# KiCad board antmicro-hdmi-mipi-bridge-hw.kicad_pcb
title: HDMI-MIPI Bridge; date: 2024-04-24; rev: 1.3.2
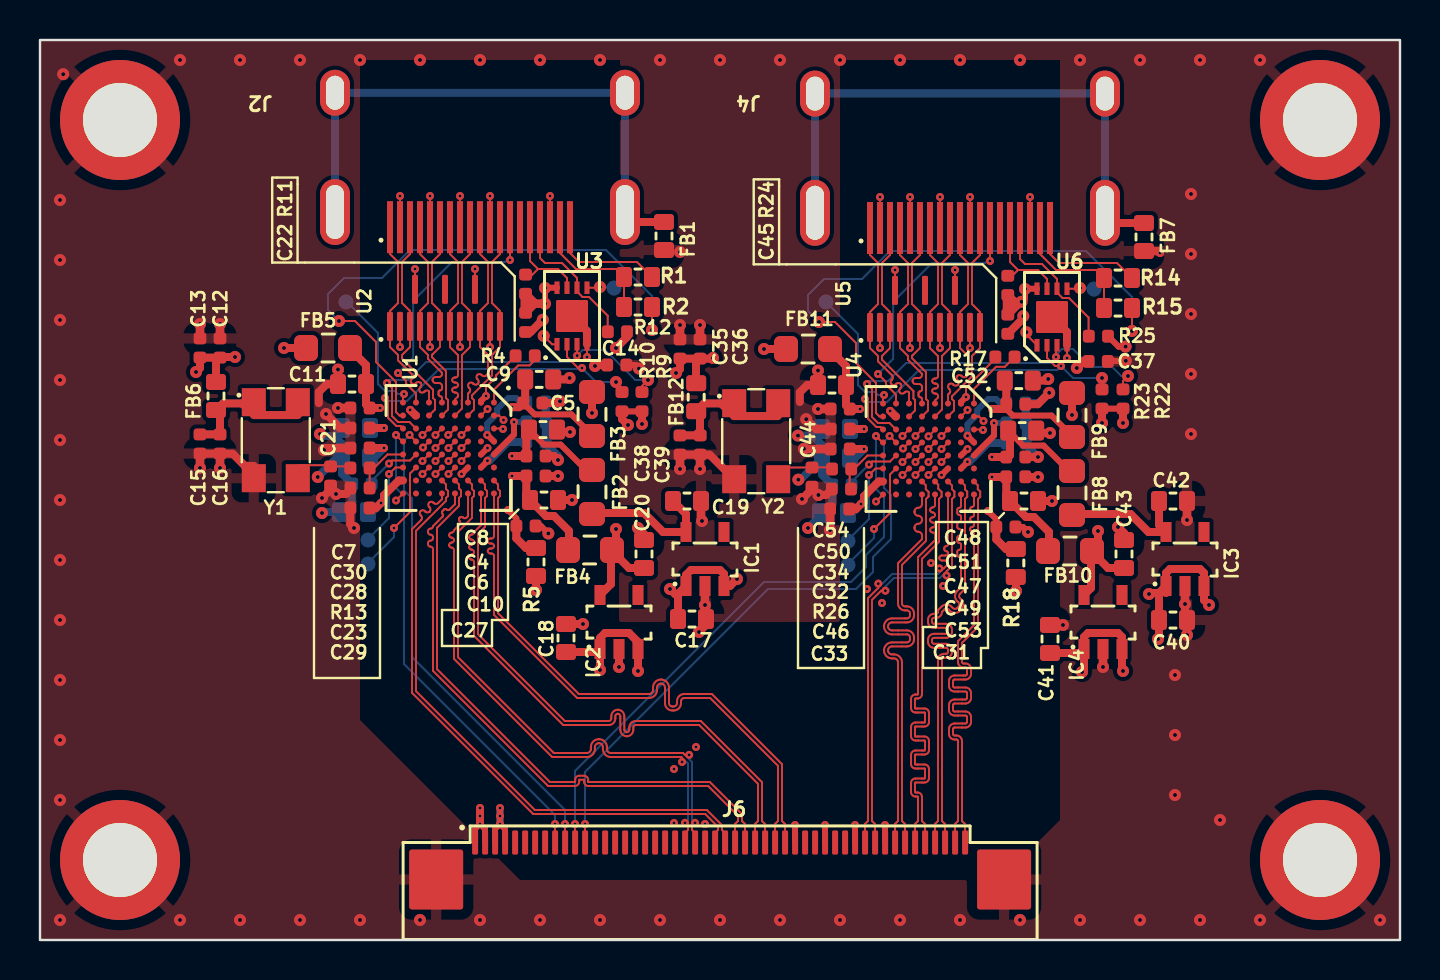
[diagram p0: board, top side]
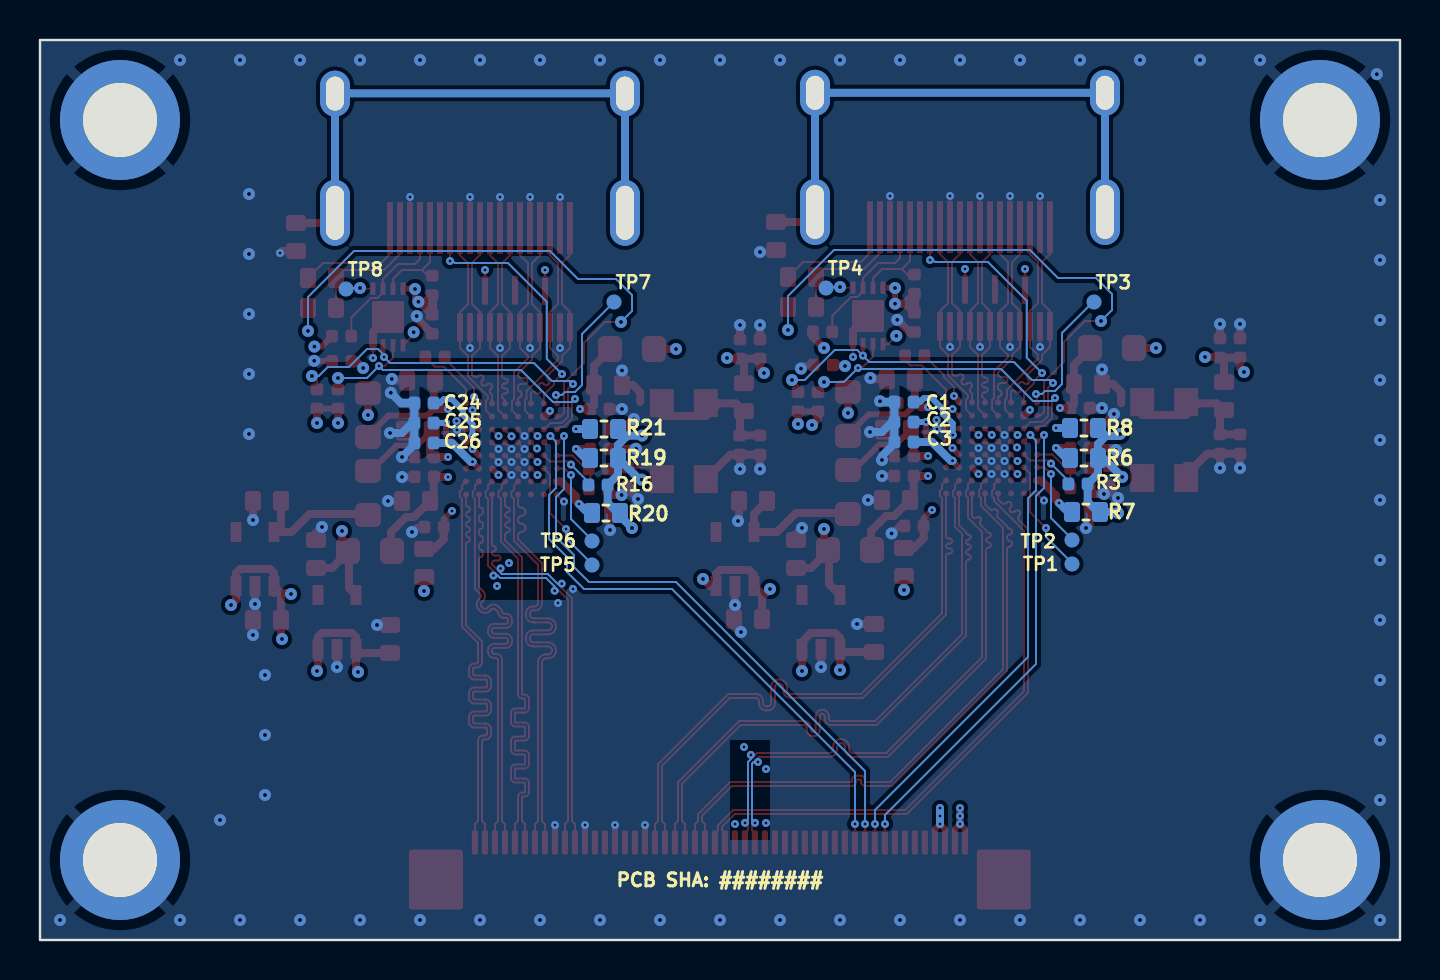
[diagram p1: board, bottom side, seen from below]

Outline 68 x 45 mm; copper layers: Top, In1.Cu, In2.Cu, Bottom. Coordinates in mm from the lower left corner of the outline.
Outline path: rectangle 0,45 68,0
Stack: Top 0.035mm / dielectric 0.254mm FR4 er 4.2 / In1.Cu 0.035mm / dielectric 0.24mm FR4 er 4.2 / In2.Cu 0.035mm / dielectric 0.254mm FR4 er 4.2 / Bottom 0.035mm

## Placement (name value [footprint] x y rotation side)
C1  C_100n_0402  [C_0402_1005Metric]  24.8 26.9 180 bottom
C2  C_100n_0402  [C_0402_1005Metric]  24.8 25.9 180 bottom
C3  C_100n_0402  [C_0402_1005Metric]  24.8 24.9 180 bottom
C4  C_470p_0402  [C_0402_1005Metric]  24.8 24.2 0 top
C5  C_470p_0402  [C_0402_1005Metric]  24.64 26.85 0 top
C6  C_470p_0402  [C_0402_1005Metric]  24.8 23.2 0 top
C7  C_470p_0402  [C_0402_1005Metric]  16 26.6 180 top
C8  C_4u7_0603  [C_0603_1608Metric]  25.15 25.52 180 top
C9  C_4u7_0603  [C_0603_1608Metric]  24.96 28.03 180 top
C10  C_4u7_0603  [C_0603_1608Metric]  25.2 22 180 top
C11  C_4u7_0603  [C_0603_1608Metric]  15.6 27.8 0 top
C12  C_100n_0402  [C_0402_1005Metric]  9 29.6 270 top
C13  C_47p_0402  [C_0402_1005Metric]  8 29.6 270 top
C14  C_100n_0402  [C_0402_1005Metric]  28.84 28.75 0 top
C15  C_100n_0402  [C_0402_1005Metric]  8 24.8 90 top
C16  C_47p_0402  [C_0402_1005Metric]  9 24.8 90 top
C17  C_10u_0603  [C_0603_1608Metric]  32.6 16.05 180 top
C18  C_10u_0603  [C_0603_1608Metric]  26.3 15.1 270 top
C19  C_10u_0603  [C_0603_1608Metric]  32.35 21.95 180 top
C20  C_10u_0603  [C_0603_1608Metric]  30.2 19.3 270 top
C21  C_47p_0402  [C_0402_1005Metric]  14.53 23.2 90 top
C22  C_100n_0402  [C_0402_1005Metric]  24.28 30.88 90 top
C23  C_47p_0402  [C_0402_1005Metric]  16 22.6 0 top
C24  C_100n_0402  [C_0402_1005Metric]  48.8 26.85 180 bottom
C25  C_100n_0402  [C_0402_1005Metric]  48.8 25.85 180 bottom
C26  C_100n_0402  [C_0402_1005Metric]  48.8 24.85 180 bottom
C27  C_100n_0402  [C_0402_1005Metric]  24.3 20.7 180 top
C28  C_100n_0402  [C_0402_1005Metric]  16 24.6 0 top
C29  C_100n_0402  [C_0402_1005Metric]  16 21.6 0 top
C30  C_100n_0402  [C_0402_1005Metric]  16 25.6 0 top
C31  C_100n_0402  [C_0402_1005Metric]  48.29 20.65 180 top
C32  C_100n_0402  [C_0402_1005Metric]  40.01 24.55 0 top
C33  C_100n_0402  [C_0402_1005Metric]  39.99 21.55 0 top
C34  C_100n_0402  [C_0402_1005Metric]  40.01 25.55 0 top
C35  C_100n_0402  [C_0402_1005Metric]  32 29.55 270 top
C36  C_47p_0402  [C_0402_1005Metric]  33 29.55 270 top
C37  C_100n_0402  [C_0402_1005Metric]  52.91 28.93 0 top
C38  C_100n_0402  [C_0402_1005Metric]  32 24.75 90 top
C39  C_47p_0402  [C_0402_1005Metric]  33.01 24.75 90 top
C40  C_10u_0603  [C_0603_1608Metric]  56.65 16 180 top
C41  C_10u_0603  [C_0603_1608Metric]  50.5 15.05 270 top
C42  C_10u_0603  [C_0603_1608Metric]  56.65 21.95 180 top
C43  C_10u_0603  [C_0603_1608Metric]  54.2 19.3 270 top
C44  C_47p_0402  [C_0402_1005Metric]  38.6 23.14 90 top
C45  C_100n_0402  [C_0402_1005Metric]  48.39 30.79 90 top
C46  C_47p_0402  [C_0402_1005Metric]  40.07 22.55 0 top
C47  C_470p_0402  [C_0402_1005Metric]  48.79 24.15 0 top
C48  C_470p_0402  [C_0402_1005Metric]  48.79 26.79 0 top
C49  C_470p_0402  [C_0402_1005Metric]  48.79 23.16 0 top
C50  C_470p_0402  [C_0402_1005Metric]  40.01 26.55 180 top
C51  C_4u7_0603  [C_0603_1608Metric]  49.11 25.47 180 top
C52  C_4u7_0603  [C_0603_1608Metric]  48.94 27.97 180 top
C53  C_4u7_0603  [C_0603_1608Metric]  49.2 21.95 180 top
C54  C_4u7_0603  [C_0603_1608Metric]  39.6 27.75 0 top
FB1  FB_120Z_3A_Murata-BLM18SG_0603  [FB_0603_1608Metric]  31.2 35.2 90 top
FB2  FB_1kZ_0.8A_WE-CBF_0805  [FB_0805_2012Metric]  27.6 22.4 270 top
FB3  FB_1kZ_0.8A_WE-CBF_0805  [FB_0805_2012Metric]  27.6 26.3 90 top
FB4  FB_1kZ_0.8A_WE-CBF_0805  [FB_0805_2012Metric]  27.5 19.5 0 top
FB5  FB_1kZ_0.8A_WE-CBF_0805  [FB_0805_2012Metric]  14.4 29.6 180 top
FB6  FB_600Z_0.5A_Murata-BLM18AG_0603  [FB_0603_1608Metric]  8.8 27.2 270 top
FB7  FB_120Z_3A_Murata-BLM18SG_0603  [FB_0603_1608Metric]  55.2 35.15 90 top
FB8  FB_1kZ_0.8A_WE-CBF_0805  [FB_0805_2012Metric]  51.6 22.35 270 top
FB9  FB_1kZ_0.8A_WE-CBF_0805  [FB_0805_2012Metric]  51.6 26.25 90 top
FB10  FB_1kZ_0.8A_WE-CBF_0805  [FB_0805_2012Metric]  51.5 19.45 0 top
FB11  FB_1kZ_0.8A_WE-CBF_0805  [FB_0805_2012Metric]  38.4 29.55 180 top
FB12  FB_600Z_0.5A_Murata-BLM18AG_0603  [FB_0603_1608Metric]  32.81 27.14 270 top
IC1  TLV73325PDBVT  [SOT-23-5]  33.25 19.05 90 top
IC2  TLV73312PDBVT  [SOT-23-5]  28.95 15.9 90 top
IC3  TLV73325PDBVT  [SOT-23-5]  57.25 19.05 90 top
IC4  TLV73312PDBVT  [SOT-23-5]  53.15 15.9 90 top
J2  HDMI-A_Molex_471511001  [HDMI-A_Receptacle_Molex_471511001]  22 40.7 180 top
J4  HDMI-A_Molex_471511001  [HDMI-A_Receptacle_Molex_471511001]  46 40.66 180 top
J6  Conn_FFC_WE_68715014022  [Conn_FFC_WE_68715014x22]  34.01 2.72 0 top
N1  antmicro_logo  [antmicro-logo_scaled_20mm_mask]  63.6 26.7 270 top
N2  oshw_logo  [OSHW-Logo_7.5x8mm_Mask]  63 11.7 270 top
R1  R_0R_0603  [R_0603_1608Metric]  29.9 33.15 0 top
R2  R_0R_0603  [R_0603_1608Metric]  29.9 31.65 0 top
R3  R_10k_0402  [R_0402_1005Metric]  16.1 22.8 180 bottom
R4  R_2k_0402  [R_0402_1005Metric]  24.26 29.21 180 top
R5  R_0R_0603  [R_0603_1608Metric]  24.8 18.9 270 top
R6  R_0R_0603  [R_0603_1608Metric]  15.8 24.1 180 bottom
R7  R_0R_0603  [R_0603_1608Metric]  15.7 21.4 180 bottom
R8  R_0R_0603  [R_0603_1608Metric]  15.8 25.6 180 bottom
R9  R_10k_0402  [R_0402_1005Metric]  30.1 26.92 270 top
R10  R_10k_0402  [R_0402_1005Metric]  29.1 26.92 270 top
R11  R_10k_0402  [R_0402_1005Metric]  24.28 32.79 270 top
R12  R_10k_0402  [R_0402_1005Metric]  28.87 30.41 0 top
R13  R_22R_0402  [R_0402_1005Metric]  16 23.6 0 top
R14  R_0R_0603  [R_0603_1608Metric]  53.9 33.1 0 top
R15  R_0R_0603  [R_0603_1608Metric]  53.9 31.6 0 top
R16  R_10k_0402  [R_0402_1005Metric]  40.1 22.75 180 bottom
R17  R_2k_0402  [R_0402_1005Metric]  48.25 29.15 180 top
R18  R_0R_0603  [R_0603_1608Metric]  48.79 18.85 270 top
R19  R_0R_0603  [R_0603_1608Metric]  39.8 24.1 180 bottom
R20  R_0R_0603  [R_0603_1608Metric]  39.7 21.35 180 bottom
R21  R_0R_0603  [R_0603_1608Metric]  39.8 25.55 180 bottom
R22  R_10k_0402  [R_0402_1005Metric]  54.15 27.05 270 top
R23  R_10k_0402  [R_0402_1005Metric]  53.1 27.05 270 top
R24  R_10k_0402  [R_0402_1005Metric]  48.39 32.73 270 top
R25  R_10k_0402  [R_0402_1005Metric]  52.92 30.19 0 top
R26  R_22R_0402  [R_0402_1005Metric]  40.08 23.55 0 top
SP1  -  [Spacer_Drill3.7mm_H6mm_9774060151R]  4 41 180 bottom
SP2  -  [Spacer_Drill3.7mm_H6mm_9774060151R]  64 41 180 bottom
SP3  -  [Spacer_Drill3.7mm_H6mm_9774060151R]  64 4 180 bottom
SP4  -  [Spacer_Drill3.7mm_H6mm_9774060151R]  4 4 180 bottom
TP1  TP_0.75mm_SMD  [TP_SMD_0.75mm]  16.4 18.8 180 bottom
TP2  TP_0.75mm_SMD  [TP_SMD_0.75mm]  16.4 20 180 bottom
TP3  TP_0.75mm_SMD  [TP_SMD_0.75mm]  15.3 31.9 180 bottom
TP4  TP_0.75mm_SMD  [TP_SMD_0.75mm]  28.7 32.6 180 bottom
TP5  TP_0.75mm_SMD  [TP_SMD_0.75mm]  40.4 18.75 180 bottom
TP6  TP_0.75mm_SMD  [TP_SMD_0.75mm]  40.4 19.95 180 bottom
TP7  TP_0.75mm_SMD  [TP_SMD_0.75mm]  39.3 31.9 180 bottom
TP8  TP_0.75mm_SMD  [TP_SMD_0.75mm]  52.7 32.55 180 bottom
U1  TC358743XBG  [BGA-64_8x8_6.0x6.0mm]  20.42 24.6 270 top
U2  TPD8S009DSMR  [R-PDSO-N15]  20.25 31.63 90 top
U3  PCA9517ATP  [SOT1069-2]  26.6 31.2 0 top
U4  TC358743XBG  [BGA-64_8x8_6.0x6.0mm]  44.43 24.55 270 top
U5  TPD8S009DSMR  [R-PDSO-N15]  44.25 31.58 90 top
U6  PCA9517ATP  [SOT1069-2]  50.6 31.15 0 top
Y1  Oscillator_27MHz_TXC_7C  [Oscillator_SMD_TXC_7C_5x3.2x1.2mm]  11.79 24.99 0 top
Y2  Oscillator_27MHz_TXC_7C  [Oscillator_SMD_TXC_7C_5x3.2x1.2mm]  35.81 24.94 0 top

## Library data of the parts
C1 C12 C27 = -: Description: SMD Multilayer Ceramic Capacitor, 0.1 µF, 50 V, 0402 [1005 Metric], ± 10%, X5R, GRM Series; Author: Antmicro; Dielectric: X5R; License: Apache-2.0; MPN: GRM155R61H104KE14D; Manufacturer: Murata; Public: False; Val: 100n; Voltage: 50V; Field13: License: Apache-2.0; Field14: Author: Antmicro
C2 C28 = -: Description: SMD Multilayer Ceramic Capacitor, 0.1 µF, 50 V, 0402 [1005 Metric], ± 10%, X5R, GRM Series; Author: Antmicro; Dielectric: X5R; License: Apache-2.0; MPN: GRM155R61H104KE14D; Manufacturer: Murata; Public: False; Val: 100n; Voltage: 50V; Field12: Author: Antmicro; Field14: License: Apache-2.0
C3 C15 C29 C31 C33 = -: Description: SMD Multilayer Ceramic Capacitor, 0.1 µF, 50 V, 0402 [1005 Metric], ± 10%, X5R, GRM Series; Author: Antmicro; Dielectric: X5R; License: Apache-2.0; MPN: GRM155R61H104KE14D; Manufacturer: Murata; Public: False; Val: 100n; Voltage: 50V; Field12: License: Apache-2.0; Field13: Author: Antmicro
C4 C50 = -: Description: SMD Multilayer Ceramic Capacitor, General Purpose, 470 pF, 25 V, 0402 [1005 Metric], ± 10%, X7R; Author: Antmicro; License: Apache-2.0; MPN: 0402B471K250CT; Manufacturer: Walsin; Public: False; Val: 470p; Field13: License: Apache-2.0; Field14: Author: Antmicro
C5 C47 = -: Description: SMD Multilayer Ceramic Capacitor, General Purpose, 470 pF, 25 V, 0402 [1005 Metric], ± 10%, X7R; Author: Antmicro; License: Apache-2.0; MPN: 0402B471K250CT; Manufacturer: Walsin; Public: False; Val: 470p; Field12: License: Apache-2.0; Field14: Author: Antmicro
C6 C7 C49 = -: Description: SMD Multilayer Ceramic Capacitor, General Purpose, 470 pF, 25 V, 0402 [1005 Metric], ± 10%, X7R; Author: Antmicro; License: Apache-2.0; MPN: 0402B471K250CT; Manufacturer: Walsin; Public: False; Val: 470p; Field12: License: Apache-2.0; Field13: Author: Antmicro
C8 = -: Description: SMD Multilayer Ceramic Capacitor, 4.7 µF, 35 V, 0603 [1608 Metric], ± 20%, X5R, C; Author: Antmicro; License: Apache-2.0; MPN: C1608X5R1V475M080AC; Manufacturer: TDK; Public: False; Val: 4u7; Field13: License: Apache-2.0; Field14: Author: Antmicro
C9 C11 C52 = -: Description: SMD Multilayer Ceramic Capacitor, 4.7 µF, 35 V, 0603 [1608 Metric], ± 20%, X5R, C; Author: Antmicro; License: Apache-2.0; MPN: C1608X5R1V475M080AC; Manufacturer: TDK; Public: False; Val: 4u7; Field12: Author: Antmicro; Field13: License: Apache-2.0
C10 C51 C53 = -: Description: SMD Multilayer Ceramic Capacitor, 4.7 µF, 35 V, 0603 [1608 Metric], ± 20%, X5R, C; Author: Antmicro; License: Apache-2.0; MPN: C1608X5R1V475M080AC; Manufacturer: TDK; Public: False; Val: 4u7; Field12: License: Apache-2.0; Field13: Author: Antmicro
C13 C16 C39 = -: Description: SMD Multilayer Ceramic Capacitor, 47 pF, 50 V, 0402 [1005 Metric], ± 5%, C0G / NP0, C Series KEMET; Author: Antmicro; Dielectric: C0G; License: Apache-2.0; MPN: C0402C470J5GACTU; Manufacturer: KEMET; Public: False; Val: 47p; Field12: Author: Antmicro; Field14: License: Apache-2.0
C14 C25 C35 C38 C45 = -: Description: SMD Multilayer Ceramic Capacitor, 0.1 µF, 50 V, 0402 [1005 Metric], ± 10%, X5R, GRM Series; Author: Antmicro; Dielectric: X5R; License: Apache-2.0; MPN: GRM155R61H104KE14D; Manufacturer: Murata; Public: False; Val: 100n; Voltage: 50V; Field12: License: Apache-2.0; Field14: Author: Antmicro
C17 C40 C42 = -: Description: SMD Multilayer Ceramic Capacitor, 10 µF, 10 V, 0603 [1608 Metric], ± 10%, X5R, GRM Series; Author: Antmicro; Dielectric: template_dielectric; License: Apache-2.0; MPN: GRM188R61A106KE69D; Manufacturer: Murata; Public: False; Val: 10u; Field13: Author: Antmicro; Field14: License: Apache-2.0
C18 C19 C41 = -: Description: SMD Multilayer Ceramic Capacitor, 10 µF, 10 V, 0603 [1608 Metric], ± 10%, X5R, GRM Series; Author: Antmicro; Dielectric: template_dielectric; License: Apache-2.0; MPN: GRM188R61A106KE69D; Manufacturer: Murata; Public: False; Val: 10u; Field12: License: Apache-2.0; Field13: Author: Antmicro
C20 = -: Description: SMD Multilayer Ceramic Capacitor, 10 µF, 10 V, 0603 [1608 Metric], ± 10%, X5R, GRM Series; Author: Antmicro; Dielectric: template_dielectric; License: Apache-2.0; MPN: GRM188R61A106KE69D; Manufacturer: Murata; Public: False; Val: 10u; Field12: Author: Antmicro; Field13: License: Apache-2.0
C21 C23 = -: Description: SMD Multilayer Ceramic Capacitor, 47 pF, 50 V, 0402 [1005 Metric], ± 5%, C0G / NP0, C Series KEMET; Author: Antmicro; Dielectric: C0G; License: Apache-2.0; MPN: C0402C470J5GACTU; Manufacturer: KEMET; Public: False; Val: 47p; Field12: License: Apache-2.0; Field14: Author: Antmicro
C22 C30 C37 = -: Description: SMD Multilayer Ceramic Capacitor, 0.1 µF, 50 V, 0402 [1005 Metric], ± 10%, X5R, GRM Series; Author: Antmicro; Dielectric: X5R; License: Apache-2.0; MPN: GRM155R61H104KE14D; Manufacturer: Murata; Public: False; Val: 100n; Voltage: 50V; Field12: Author: Antmicro; Field13: License: Apache-2.0
C24 C26 C32 C34 = -: Description: SMD Multilayer Ceramic Capacitor, 0.1 µF, 50 V, 0402 [1005 Metric], ± 10%, X5R, GRM Series; Author: Antmicro; Dielectric: X5R; License: Apache-2.0; MPN: GRM155R61H104KE14D; Manufacturer: Murata; Public: False; Val: 100n; Voltage: 50V; Field13: Author: Antmicro; Field14: License: Apache-2.0
C36 = -: Description: SMD Multilayer Ceramic Capacitor, 47 pF, 50 V, 0402 [1005 Metric], ± 5%, C0G / NP0, C Series KEMET; Author: Antmicro; Dielectric: C0G; License: Apache-2.0; MPN: C0402C470J5GACTU; Manufacturer: KEMET; Public: False; Val: 47p; Field13: License: Apache-2.0; Field14: Author: Antmicro
C43 = -: Description: SMD Multilayer Ceramic Capacitor, 10 µF, 10 V, 0603 [1608 Metric], ± 10%, X5R, GRM Series; Author: Antmicro; Dielectric: template_dielectric; License: Apache-2.0; MPN: GRM188R61A106KE69D; Manufacturer: Murata; Public: False; Val: 10u; Field12: Author: Antmicro; Field14: License: Apache-2.0
C44 = -: Description: SMD Multilayer Ceramic Capacitor, 47 pF, 50 V, 0402 [1005 Metric], ± 5%, C0G / NP0, C Series KEMET; Author: Antmicro; Dielectric: C0G; License: Apache-2.0; MPN: C0402C470J5GACTU; Manufacturer: KEMET; Public: False; Val: 47p; Field13: Author: Antmicro; Field14: License: Apache-2.0
C46 = -: Description: SMD Multilayer Ceramic Capacitor, 47 pF, 50 V, 0402 [1005 Metric], ± 5%, C0G / NP0, C Series KEMET; Author: Antmicro; Dielectric: C0G; License: Apache-2.0; MPN: C0402C470J5GACTU; Manufacturer: KEMET; Public: False; Val: 47p; Field12: Author: Antmicro; Field13: License: Apache-2.0
C48 = -: Description: SMD Multilayer Ceramic Capacitor, General Purpose, 470 pF, 25 V, 0402 [1005 Metric], ± 10%, X7R; Author: Antmicro; License: Apache-2.0; MPN: 0402B471K250CT; Manufacturer: Walsin; Public: False; Val: 470p; Field12: Author: Antmicro; Field13: License: Apache-2.0
C54 = -: Description: SMD Multilayer Ceramic Capacitor, 4.7 µF, 35 V, 0603 [1608 Metric], ± 20%, X5R, C; Author: Antmicro; License: Apache-2.0; MPN: C1608X5R1V475M080AC; Manufacturer: TDK; Public: False; Val: 4u7; Field13: Author: Antmicro; Field14: License: Apache-2.0
FB1 = -: Description: Ferrite Bead, 0603 [1608 Metric], 120 ohm, 3 A, BLM18S, 0.025 ohm, ± 25%, DC power line (thin type); Author: Antmicro; License: Apache-2.0; MPN: BLM18SG121TN1D; Manufacturer: Murata; Public: False; Val: 120Z/3A; Field11: License: Apache-2.0; Field12: Author: Antmicro
FB2 FB5 = -: Description: Ferrite Beads WE-CBF 0805 100MHz 1kOhm 1A, High Current; Author: Antmicro; License: Apache-2.0; MPN: 742792096; Manufacturer: Würth Elektronik; Public: False; Val: 1kZ/0.8A; Field11: License: Apache-2.0; Field12: Author: Antmicro
FB3 FB4 FB11 = -: Description: Ferrite Beads WE-CBF 0805 100MHz 1kOhm 1A, High Current; Author: Antmicro; License: Apache-2.0; MPN: 742792096; Manufacturer: Würth Elektronik; Public: False; Val: 1kZ/0.8A; Field11: Author: Antmicro; Field12: License: Apache-2.0
FB6 FB12 = -: Description: Ferrite Bead, 0603 [1608 Metric], 600 ohm, 500 mA, BLM18A, 0.38 ohm, ± 25%, General use; Author: Antmicro; License: Apache-2.0; MPN: BLM18AG601SN1D; Manufacturer: Murata; Public: False; Val: 600Z/0.5A; Field12: Author: Antmicro; Field13: License: Apache-2.0
FB7 = -: Description: Ferrite Bead, 0603 [1608 Metric], 120 ohm, 3 A, BLM18S, 0.025 ohm, ± 25%, DC power line (thin type); Author: Antmicro; License: Apache-2.0; MPN: BLM18SG121TN1D; Manufacturer: Murata; Public: False; Val: 120Z/3A; Field11: License: Apache-2.0; Field13: Author: Antmicro
FB8-FB10 = -: Description: Ferrite Beads WE-CBF 0805 100MHz 1kOhm 1A, High Current; Author: Antmicro; License: Apache-2.0; MPN: 742792096; Manufacturer: Würth Elektronik; Public: False; Val: 1kZ/0.8A; Field12: Author: Antmicro; Field13: License: Apache-2.0
IC1 = -: Description: Linear voltage regulator; Author: Antmicro; License: Apache-2.0; Manufacturer: Texas Instruments; Field9: Author: Antmicro; Field10: License: Apache-2.0
IC2 = -: Description: Fixed LDO Voltage Regulator, 1.4V to 5.5V, 122mV Dropout, 1.2Vout, 300mAout, SOT-23-5; Author: Antmicro; License: Apache-2.0; Manufacturer: Texas Instruments; Field8: Author: Antmicro; Field10: License: Apache-2.0
IC3 = -: Description: Linear voltage regulator; Author: Antmicro; License: Apache-2.0; Manufacturer: Texas Instruments; Field9: License: Apache-2.0; Field10: Author: Antmicro
IC4 = -: Description: Fixed LDO Voltage Regulator, 1.4V to 5.5V, 122mV Dropout, 1.2Vout, 300mAout, SOT-23-5; Author: Antmicro; License: Apache-2.0; Manufacturer: Texas Instruments; Field8: License: Apache-2.0; Field9: Author: Antmicro
J2 J4 = -: Description: HDMI Receptacle Connector 19 Position Surface Mount, Right Angle; Through Hole; Author: Antmicro; License: Apache-2.0; MPN: 471511001; Manufacturer: Molex; Field9: Author: Antmicro; Field10: License: Apache-2.0
J6 = -: Description: FFC connector; Author: Antmicro; License: Apache-2.0; MPN: 68715014022; Manufacturer: Würth Elektronik; Field8: License: Apache-2.0; Field10: Author: Antmicro
N1 = -: Description: Mechanical part; Author: Antmicro; License: Apache-2.0; Public: False; Field11: License: Apache-2.0; Field12: Author: Antmicro
N2 = -: Description: Mechanical part; Author: Antmicro; License: Apache-2.0; Public: False
R1 R20 = -: Description: Zero Ohm Resistor, Jumper, 0603 [1608 Metric], Thick Film, 100 mW, 1 A, Surface Mount Device, CR; Author: Antmicro; Current: 1A; License: Apache-2.0; MPN: CR0603-J/-000ELF; Manufacturer: Bourns; Public: False; Val: 0R; Field13: Author: Antmicro; Field14: License: Apache-2.0
R2 R15 = -: Description: Zero Ohm Resistor, Jumper, 0603 [1608 Metric], Thick Film, 100 mW, 1 A, Surface Mount Device, CR; Author: Antmicro; Current: 1A; License: Apache-2.0; MPN: CR0603-J/-000ELF; Manufacturer: Bourns; Public: False; Val: 0R; Field12: License: Apache-2.0; Field14: Author: Antmicro
R3 R10 R25 = -: Description: SMD Chip Resistor, 10 kohm, ± 1%, 62.5 mW, 0402 [1005 Metric], Thick Film, General Purpose; Author: Antmicro; License: Apache-2.0; MPN: CR0402-FX-1002GLF; Manufacturer: Bourns; Public: False; Tolerance: 1%; Val: 10k; Field11: License: Apache-2.0; Field12: Author: Antmicro
R4 = -: Description: SMD Chip Resistor, 2 kohm, ± 1%, 62.5 mW, 0402 [1005 Metric], Thick Film, General Purpose; Author: Antmicro; License: Apache-2.0; MPN: CR0402-FX-2001GLF; Manufacturer: Bourns; Public: False; Tolerance: 1%; Val: 2k; Field11: Author: Antmicro; Field13: License: Apache-2.0
R5 R6 R19 R21 = -: Description: Zero Ohm Resistor, Jumper, 0603 [1608 Metric], Thick Film, 100 mW, 1 A, Surface Mount Device, CR; Author: Antmicro; Current: 1A; License: Apache-2.0; MPN: CR0603-J/-000ELF; Manufacturer: Bourns; Public: False; Val: 0R; Field13: License: Apache-2.0; Field14: Author: Antmicro
R7 R14 = -: Description: Zero Ohm Resistor, Jumper, 0603 [1608 Metric], Thick Film, 100 mW, 1 A, Surface Mount Device, CR; Author: Antmicro; Current: 1A; License: Apache-2.0; MPN: CR0603-J/-000ELF; Manufacturer: Bourns; Public: False; Val: 0R; Field12: Author: Antmicro; Field13: License: Apache-2.0
R8 R18 = -: Description: Zero Ohm Resistor, Jumper, 0603 [1608 Metric], Thick Film, 100 mW, 1 A, Surface Mount Device, CR; Author: Antmicro; Current: 1A; License: Apache-2.0; MPN: CR0603-J/-000ELF; Manufacturer: Bourns; Public: False; Val: 0R; Field12: License: Apache-2.0; Field13: Author: Antmicro
R9 = -: Description: SMD Chip Resistor, 10 kohm, ± 1%, 62.5 mW, 0402 [1005 Metric], Thick Film, General Purpose; Author: Antmicro; License: Apache-2.0; MPN: CR0402-FX-1002GLF; Manufacturer: Bourns; Public: False; Tolerance: 1%; Val: 10k; Field12: License: Apache-2.0; Field13: Author: Antmicro
R11 R22 = -: Description: SMD Chip Resistor, 10 kohm, ± 1%, 62.5 mW, 0402 [1005 Metric], Thick Film, General Purpose; Author: Antmicro; License: Apache-2.0; MPN: CR0402-FX-1002GLF; Manufacturer: Bourns; Public: False; Tolerance: 1%; Val: 10k; Field11: License: Apache-2.0; Field13: Author: Antmicro
R12 R24 = -: Description: SMD Chip Resistor, 10 kohm, ± 1%, 62.5 mW, 0402 [1005 Metric], Thick Film, General Purpose; Author: Antmicro; License: Apache-2.0; MPN: CR0402-FX-1002GLF; Manufacturer: Bourns; Public: False; Tolerance: 1%; Val: 10k; Field11: Author: Antmicro; Field13: License: Apache-2.0
R13 = -: Description: SMD Chip Resistor, 22 ohm, ± 1%, 62.5 mW, 0402 [1005 Metric], Thick Film, General Purpose; Author: Antmicro; License: Apache-2.0; MPN: CR0402-FX-22R0GLF; Manufacturer: Bourns; Public: False; Tolerance: 1%; Val: 22R; Field11: License: Apache-2.0; Field12: Author: Antmicro
R16 R23 = -: Description: SMD Chip Resistor, 10 kohm, ± 1%, 62.5 mW, 0402 [1005 Metric], Thick Film, General Purpose; Author: Antmicro; License: Apache-2.0; MPN: CR0402-FX-1002GLF; Manufacturer: Bourns; Public: False; Tolerance: 1%; Val: 10k; Field12: Author: Antmicro; Field13: License: Apache-2.0
R17 = -: Description: SMD Chip Resistor, 2 kohm, ± 1%, 62.5 mW, 0402 [1005 Metric], Thick Film, General Purpose; Author: Antmicro; License: Apache-2.0; MPN: CR0402-FX-2001GLF; Manufacturer: Bourns; Public: False; Tolerance: 1%; Val: 2k; Field12: Author: Antmicro; Field13: License: Apache-2.0
R26 = -: Description: SMD Chip Resistor, 22 ohm, ± 1%, 62.5 mW, 0402 [1005 Metric], Thick Film, General Purpose; Author: Antmicro; License: Apache-2.0; MPN: CR0402-FX-22R0GLF; Manufacturer: Bourns; Public: False; Tolerance: 1%; Val: 22R; Field11: License: Apache-2.0; Field13: Author: Antmicro
SP1 = -: Description: Spacer, SMT, Non Stop, Steel, Swage Round, 5.1 mm x 6 mm, M2.5 Thread, WA-SMSI Series; Author: Antmicro; License: Apache-2.0; MPN: 9774060151R; Manufacturer: Würth Elektronik; Public: False; Field10: Author: Antmicro; Field11: License: Apache-2.0
SP2 = -: Description: Spacer, SMT, Non Stop, Steel, Swage Round, 5.1 mm x 6 mm, M2.5 Thread, WA-SMSI Series; Author: Antmicro; License: Apache-2.0; MPN: 9774060151R; Manufacturer: Würth Elektronik; Public: False; Field9: License: Apache-2.0; Field11: Author: Antmicro